# Allegro board LAY-27392_C.brd (continued)
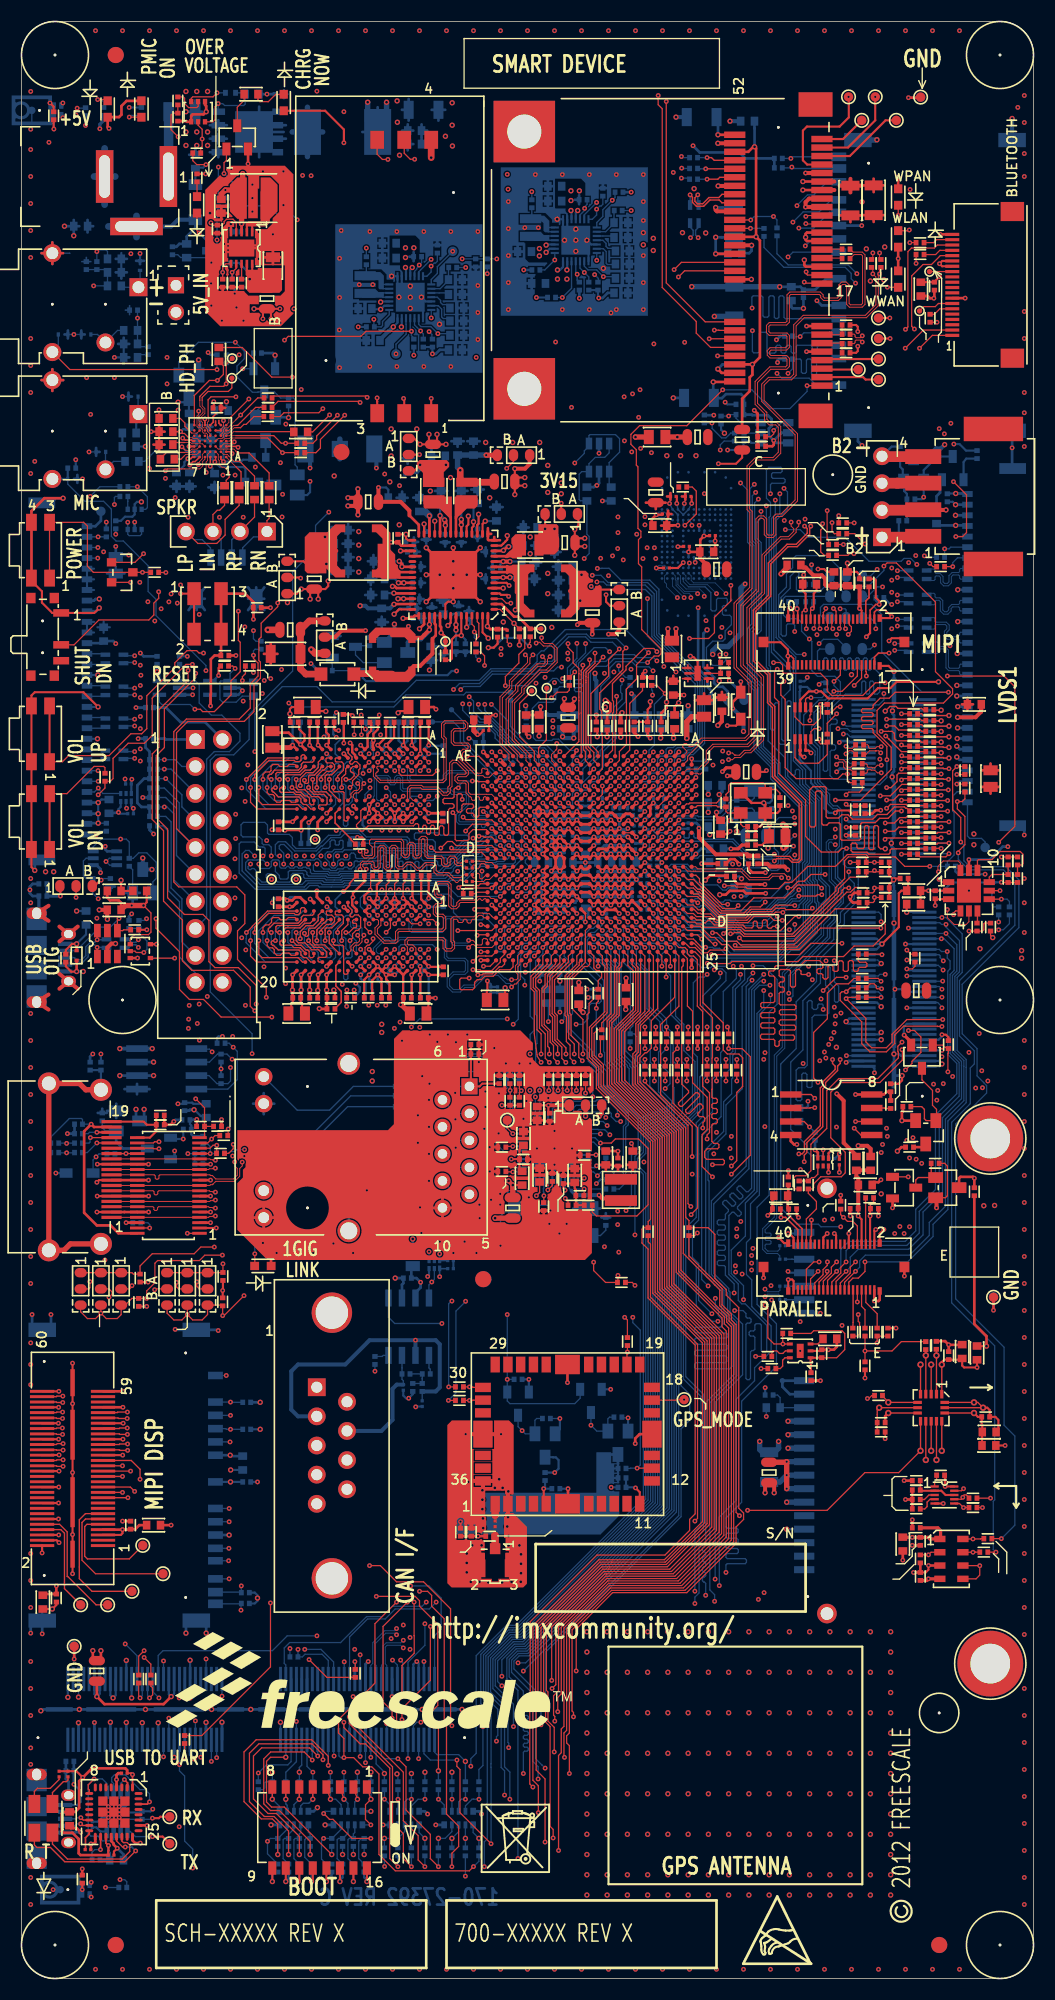
[diagram p0: board, top side]
## Routing (per net, layer and track width the routed paths; a pad name or vN(x,y) marks a point on that pad's centre or on a via; arc(x,y) is an arc through that point) (continued)
  BOTTOM w0.305: v2(66.67,108.97) 66.17,108.46 C654.2 ; U2.G1 v1(33.53,101.64) U4.F9 v1(33.53,100.84) ; U2.G1 v1(32.73,101.64) ; U2.G1 v1(33.53,100.84) ; U2.M9 v1(28.73,94.44) ; v5(9.22,16.19) 9.72,16.19 9.99,16.46 U519.4 ; C633.2 59.77,110.31 v1(59.47,110.61) ; C697.2 R620.2 v1(3.68,101.85) ; U5.B3 37.13,110.84 v1(37.53,110.44) ; U3.E8 34.74,110.04 v1(35.13,109.65) ; C628.2 60.45,111.23 v1(60.27,111.41) ; U2.P1 27.2,101.57 v1(27.18,101.57) ; U3.E2 34.73,114.85 v1(34.33,115.25) 33.93,115.65 v1(34.33,116.05) ; U2.M1 v1(28.8,101.59) ; U5.A9 37.93,115.64 v1(38.33,116.05) ; U4.B3 v1(37.53,96.04) ; U2.B9 v1(36.73,94.44) ; v1(33.53,100.84) U4.G8 ; v1(27.13,94.44) U2.P9 ; U3.J8 v1(31.25,110.32) ; v1(57.87,105.81) 57.86,105.81 C680.2 ; v1(34.33,94.44) U4.E1 v1(34.33,95.24) U2.E8 ; v1(50.67,107.41) 50.51,107.57 C656.2 50.03,107.57 v1(49.87,107.41) ; v1(48.27,107.41) 48.3,107.38 C665.2 48.3,106.64 v1(48.27,106.61) ; U2.J8 v1(31.93,96.04) ; U3.B1 37.13,115.65 v1(36.73,116.05) ; v1(61.07,109.81) C642.2 ; C623.2 65.93,111.68 v2(65.66,111.41) ; v1(25.53,94.44) U2.T9 ; C724.2 54.97,100.71 v1(54.67,101.01) ; C627.2 65.93,109.95 65.71,109.73 65.41,109.73 v2(65.41,109.73) ; U4.A9 v1(38.33,101.64) ; U5.D8 35.53,114.84 v1(35.93,115.25) ; U2.B1 v1(36.73,101.64)
  BOTTOM w0.381: C604.2 49.5,118.94 49.56,118.89 C612.2 C611.2 ; C608.2 C609.2 57.66,120.65 57.41,120.9 v1(57.41,120.9) ; C502.2 v2(61.59,175.13) ; P1.3 14.1,164.84 14.73,165.48 D503.A ; J506.S7 v1(75.18,62.61) ; v2(52.86,90.91) 52.56,91.21 52.56,91.57 C69.2 ; C607.2 C606.2 C605.2 v2(62.74,119.76) ; J500.17 v2(93.21,175) ; C503.2 v2(66.67,174.75)
  BOTTOM w0.508: v2(69.47,50.55) 69.47,49.78 69.72,49.53 C762.2 70.87,49.53 71.25,49.91 v2(71.25,50.55) ; v2(80.49,173) 80.47,172.97 J500.16 ; 29.97,142.99 BT500.3 29.97,144.84 ; J506.P6 v2(72.14,49.91) ; C769.2 v2(65.2,156.38) ; J506.P5 v2(72.14,51.18) ; J506.P10 v2(72.01,44.83) ; J506.P4 v2(72.14,52.45)
  BOTTOM w0.635: 6.85,169.55 P1.2 ; P1.2 7.84,166.9 ; P1.2 7.84,172.19 ; P1.2 8.83,169.55 ; P1.3 10.84,165.84 ; P1.3 10.84,163.85 ; P1.3 8.2,164.84
  vias: v1(0.89,177.55) v1(0.89,173.99) v1(0.89,172.09) v1(0.89,169.55) v1(0.89,167.01) v1(0.89,103.5) v1(0.89,101.22) v1(0.89,90.8) v1(0.89,88.27) v1(0.89,85.72) v1(0.89,83.19) v1(0.89,80.64) v1(0.89,78.11) v1(0.89,75.56) v1(0.89,73.02) v1(0.89,70.48) v1(0.89,67.94) v1(0.89,65.41) v1(0.89,59.82) v1(0.89,57.78) v1(0.89,55.88) v1(0.89,40) v1(0.89,37.46) v1(0.89,34.92) v1(0.89,29.85) v1(0.89,27.3) v1(0.89,24.77) v1(0.89,21.72) v1(0.89,20.17) v1(0.89,9.52) v1(0.89,6.98) v1(6.98,183.26) v1(6.98,0.89) v1(9.52,183.26) v1(9.52,0.89) v1(11.2,123.57) v1(11.2,121.67) v1(11.2,120.52) v1(11.2,118.74) v1(11.2,117.6) v1(11.2,115.7) v1(11.2,114.55) v1(12.07,183.26) v1(12.07,0.89) v1(14.61,183.26) v1(14.61,0.89) v1(17.14,183.26) v1(17.14,0.89) v1(17.88,161.44) v1(17.86,159.49) v1(17.88,157.4) v1(18.87,155.98) v1(19.69,183.26) v1(19.69,0.89) v1(19.76,170.26) v1(19.89,77.39) v1(20.11,105.36) v1(20.11,103.65) v1(20.11,101.68) v1(20.11,99.71) v1(20.17,109.55) v1(20.17,107.27) v1(20.24,157.23) v1(20.74,112.03) v1(20.74,97.93) v1(20.9,155.98) v1(20.98,77.39) v1(21.06,110.76) v1(21.12,96.79) v1(21.18,105.61) v1(21.31,114.19) v1(21.74,168.78) v1(21.74,167.51) v1(21.74,166.24) v1(22.23,183.26) v1(22.23,0.89) v1(22.73,170.03) v1(22.73,69.22) v1(22.84,95.2) v1(23.09,107.07) v1(23.55,103.43) v1(23.67,164.11) v1(24.02,68.28) v1(24.38,155.77) v1(24.66,170.03) v1(24.66,166.85) v1(24.77,183.26) v1(24.77,0.89) v1(24.87,95.07) v1(24.87,93.61) v1(25.86,103.43) v1(25.86,69.16) v1(27.3,183.26) v1(27.3,0.89) v1(27.46,68.28) v1(27.65,107.19) v1(29.36,69.16) v1(29.63,108.03) v1(29.85,183.26) v1(29.92,155.12) v1(29.85,0.89) v1(29.95,161.85) v1(29.95,158.17) v1(29.95,151.56) v1(30.1,164.47) v1(30.2,93.55) v1(30.35,175.64) v1(31.22,68.28) v1(31.8,159.37) v1(31.98,118.89) v1(32.38,183.26) v1(32.38,0.89) v1(32.49,97.62) v1(32.79,164.36) v1(32.79,151.66) v1(32.81,112.73) v1(33.07,159.37) v1(34.8,32) v1(34.92,183.26) v1(34.92,0.89) v1(35.33,164.36) v1(35.33,151.66) v1(35.81,88.24) v1(35.94,33.27) v1(36.58,32.1) v1(36.58,30.99) v1(37.31,81.23) v1(37.31,78.64) v1(37.46,183.26) v1(37.52,72.57) v1(37.46,0.89) v1(37.72,84.91) v1(37.64,70.15) v1(37.87,164.36) v1(37.87,151.66) v1(38.4,84.2) v1(38.35,82.68) v1(38.35,80.14) v1(38.35,77.6) v1(38.35,75.06) v1(38.43,88.82) v1(39.14,88.14) v1(39.37,69.34) v1(40,183.26) v1(40,0.89) v1(40.13,88.82) v1(40.41,164.36) v1(40.41,151.66) v1(40.82,83.34) v1(40.9,88.11) v1(40.84,80.85) v1(40.87,78.18) v1(41.06,104.18) v1(41.71,69.34) v1(41.96,88.82) v1(42.54,183.26) v1(42.54,0.89) v1(42.82,68.28) v1(42.95,164.36) v1(42.95,159.28) v1(42.95,156.74) v1(42.95,154.2) v1(43.1,72.82) v1(43.13,71.55) v1(43.41,69.52) v1(43.56,79.96) v1(43.66,83.46) v1(43.66,82.02) v1(44.07,78.23) v1(44.07,75.95) v1(44.2,73.28) v1(44.5,87.55) v1(44.91,79.53) v1(44.93,83.29) v1(45.08,183.26) v1(45.06,73.84) v1(45.06,72.82) v1(45.08,0.89) v1(45.82,167.18) v1(45.82,164.64) v1(45.82,162.1) v1(45.82,159.56) v1(45.82,157.02) v1(47.24,80.9) v1(47.37,164.73) v1(47.52,82.58) v1(47.62,183.26) v1(47.62,0.89) v1(47.75,73.51) v1(48.36,169.72) v1(48.51,78.11) v1(48.64,164.73) v1(49.58,82.85) v1(49.68,71.02) v1(50.16,183.26) v1(50.16,79.76) v1(50.16,76.58) v1(50.16,0.89) v1(50.62,70.1) v1(50.9,169.72) v1(50.9,157.02) v1(51.31,71.02) v1(51.82,78.11) v1(52.7,183.26) v1(52.7,0.89) v1(53.44,169.72) v1(53.44,157.02) v1(54.86,68.86) v1(55.24,183.26) v1(55.24,0.89) v1(55.48,156.72) v1(55.98,169.72) v1(55.98,157.02) v1(56.11,72.21) v1(56.11,70.94) v1(56.21,68.35) v1(57.78,183.26) v1(57.78,0.89) v1(58.52,169.72) v1(58.52,167.18) v1(58.52,165.4) v1(58.52,162.1) v1(58.52,159.56) v1(58.52,157.02) v1(60.32,183.26) v1(60.32,0.89) v1(62.86,183.26) v1(62.86,0.89) v1(65.41,183.26) v1(65.41,0.89) v1(65.99,115.49) v1(65.96,114.5) v1(67.56,68.17) v1(67.69,71.24) v1(67.82,66.29) v1(67.94,183.26) v1(67.94,0.89) v1(68.71,66.67) v1(68.83,68.71) v1(70.48,183.26) v1(70.48,0.89) v1(70.54,65.2) v1(70.59,63.86) v1(71.78,137.19) v1(73.02,183.26) v1(73.02,0.89) v1(73.3,76.12) v1(73.28,59.06) v1(73.74,137.31) v1(74.85,126.44) v1(75.56,183.26) v1(75.56,0.89) v1(76.58,108.15) v1(76.71,126.47) v1(77.22,61.46) v1(78.11,183.26) v1(78.11,0.89) v1(80.64,183.26) v1(80.64,0.89) v1(81.89,132.72) v1(81.89,131.57) v1(81.89,130.43) v1(81.89,127) v1(83.19,183.26) v1(83.19,0.89) v1(85.72,183.26) v1(85.72,0.89) v1(88.27,183.26) v1(88.27,0.89) v1(93.75,176.05) v1(94.36,177.17) v1(94.36,174.62) v1(94.36,171.7) v1(94.36,169.55) v1(94.36,156.84) v1(94.36,154.31) v1(94.36,149.23) v1(94.36,147.32) v1(94.36,144.15) v1(94.36,103.5) v1(94.36,101.22) v1(94.36,98.42) v1(94.36,88.27) v1(94.36,85.72) v1(94.36,83.19) v1(94.36,80.64) v1(94.36,78.11) v1(94.36,75.56) v1(94.36,73.02) v1(94.36,70.48) v1(94.36,67.94) v1(94.36,65.41) v1(94.36,62.86) v1(94.36,60.32) v1(94.36,57.78) v1(94.36,55.24) v1(94.36,52.7) v1(94.36,50.16) v1(94.36,47.62) v1(94.36,45.08) v1(94.36,42.54) v1(94.36,40) v1(94.36,37.46) v1(94.36,34.92) v1(94.36,32.38) v1(94.36,27.3) v1(94.36,24.77) v1(94.36,22.23) v1(94.36,19.69) v1(94.36,17.14) v1(94.36,14.61) v1(94.36,12.07) v1(94.36,9.52) v1(94.36,6.98) v2(22.38,164.34) v2(22.38,161.8) v2(25.04,129.46) v2(29.44,141.38) v2(31.75,136.14) v2(31.75,134.87) v2(31.75,133.6) v2(31.75,132.33) v2(34.67,140.82) v2(34.8,145.8) v2(34.8,143.26) v2(35.56,136.78) v2(37.21,145.8) v2(38.4,123.11) v2(38.48,139.95) v2(39.34,155.65) v2(39.9,173.33) v2(40.39,141.22) v2(40.54,176.48) v2(40.54,174.37) v2(40.56,172.42) v2(41.91,40) v2(41.91,39.12) v2(41.91,38.23) v2(42.04,46.74) v2(42.29,37.34) v2(42.42,40.77) v2(43.1,37.34) v2(43.31,40.77) v2(43.38,45.95) v2(43.38,45.06) v2(43.38,44.18) v2(43.43,43.31) v2(43.46,42.39) v2(43.69,144.53) v2(43.94,37.29) v2(44.07,139.32) v2(44.55,46.18) v2(44.96,46.99) v2(45.29,46.18) v2(45.24,37.29) v2(45.35,127.64) v2(45.72,42.54) v2(45.82,45.85) v2(45.8,43.43) v2(45.85,41.66) v2(45.85,40.77) v2(46.13,37.34) v2(46.23,144.53) v2(46.86,40.77) v2(47.02,39.93) v2(47.02,39.04) v2(47.02,38.15) v2(46.99,37.34) v2(47.88,135.64) v2(47.88,134.06) v2(48.77,144.53) v2(49.53,142.37) v2(49.53,139.83) v2(49.53,132.21) v2(49.53,130.3) v2(49.91,127.13) v2(53.21,32.64) v2(53.21,30.73) v2(53.21,28.83) v2(53.21,26.92) v2(53.21,25.02) v2(53.21,23.11) v2(53.21,21.21) v2(53.21,19.3) v2(53.21,17.4) v2(53.21,15.49) v2(53.21,13.59) v2(53.21,11.68) v2(53.21,9.78) v2(53.21,7.87) v2(54.76,160.91) v2(55.12,32.64) v2(55.12,28.83) v2(55.12,25.02) v2(55.12,21.21) v2(55.12,17.4) v2(55.12,13.59) v2(55.12,9.78) v2(55.12,7.87) v2(57.02,32.64) v2(57.02,28.83) v2(57.02,25.02) v2(57.02,21.21) v2(57.02,17.4) v2(57.02,13.59) v2(57.02,9.78) v2(57.02,7.87) v2(58.52,164.26) v2(58.93,32.64) v2(58.93,28.83) v2(58.93,25.02) v2(58.93,21.21) v2(58.93,17.4) v2(58.93,13.59) v2(58.93,9.78) v2(58.93,7.87) v2(60.83,32.64) v2(60.83,28.83) v2(60.83,25.02) v2(60.83,21.21) v2(60.83,17.4) v2(60.83,13.59) v2(60.83,9.78) v2(60.83,7.87) v2(62.2,164.26) v2(62.74,32.64) v2(62.74,28.83) v2(62.74,25.02) v2(62.74,21.21) v2(62.74,17.4) v2(62.74,13.59) v2(62.74,9.78) v2(62.74,7.87) v2(63.3,168.4) v2(64.39,164.24) v2(64.64,32.64) v2(64.64,28.83) v2(64.64,25.02) v2(64.64,21.21) v2(64.64,17.4) v2(64.64,13.59) v2(64.64,9.78) v2(64.64,7.87) v2(66.55,32.64) v2(66.55,28.83) v2(66.55,25.02) v2(66.55,21.21) v2(66.55,17.4) v2(66.55,13.59) v2(66.55,9.78) v2(66.55,7.87) v2(68.45,32.64) v2(68.45,28.83) v2(68.45,25.02) v2(68.45,21.21) v2(68.45,17.4) v2(68.45,13.59) v2(68.45,9.78) v2(68.45,7.87) v2(70.26,106.36) v2(70.36,32.64) v2(70.36,28.83) v2(70.36,25.02) v2(70.36,21.21) v2(70.36,17.4) v2(70.36,13.59) v2(70.36,9.78) v2(70.36,7.87) v2(72.26,32.64) v2(72.26,28.83) v2(72.26,25.02) v2(72.26,21.21) v2(72.26,17.4) v2(72.26,13.59) v2(72.26,9.78) v2(72.26,7.87) v2(74.17,32.64) v2(74.17,28.83) v2(74.17,25.02) v2(74.17,21.21) v2(74.17,17.4) v2(74.17,13.59) v2(74.17,9.78) v2(74.17,7.87) v2(76.07,32.64) v2(76.07,28.83) v2(76.07,25.02) v2(76.07,21.21) v2(76.07,17.4) v2(76.07,13.59) v2(76.07,9.78) v2(76.07,7.87) v2(76.68,87.63) v2(77.98,32.64) v2(77.98,28.83) v2(77.98,25.02) v2(77.98,21.21) v2(77.98,17.4) v2(77.98,13.59) v2(77.98,9.78) v2(77.98,7.87) v2(79.5,162.74) v2(79.88,159.72) v2(79.88,32.64) v2(79.88,28.83) v2(79.88,25.02) v2(79.88,21.21) v2(79.88,17.4) v2(79.88,13.59) v2(79.88,9.78) v2(79.88,7.87) v2(81.15,159.82) v2(81.23,162.92) v2(81.79,32.64) v2(81.79,30.73) v2(81.79,28.83) v2(81.79,26.92) v2(81.79,25.02) v2(81.79,23.11) v2(81.79,21.21) v2(81.79,19.3) v2(81.79,17.4) v2(81.79,15.49) v2(81.79,13.59) v2(81.79,11.68) v2(81.79,9.78) v2(81.79,7.87) v4(52.17,163.55) v4(52.17,162.51) v5(8.2,16.19) v5(9.22,15.17) v5(89.15,102.36)
